# Altium PCB uStepper.PcbDoc (part 1 of 2) (continued)
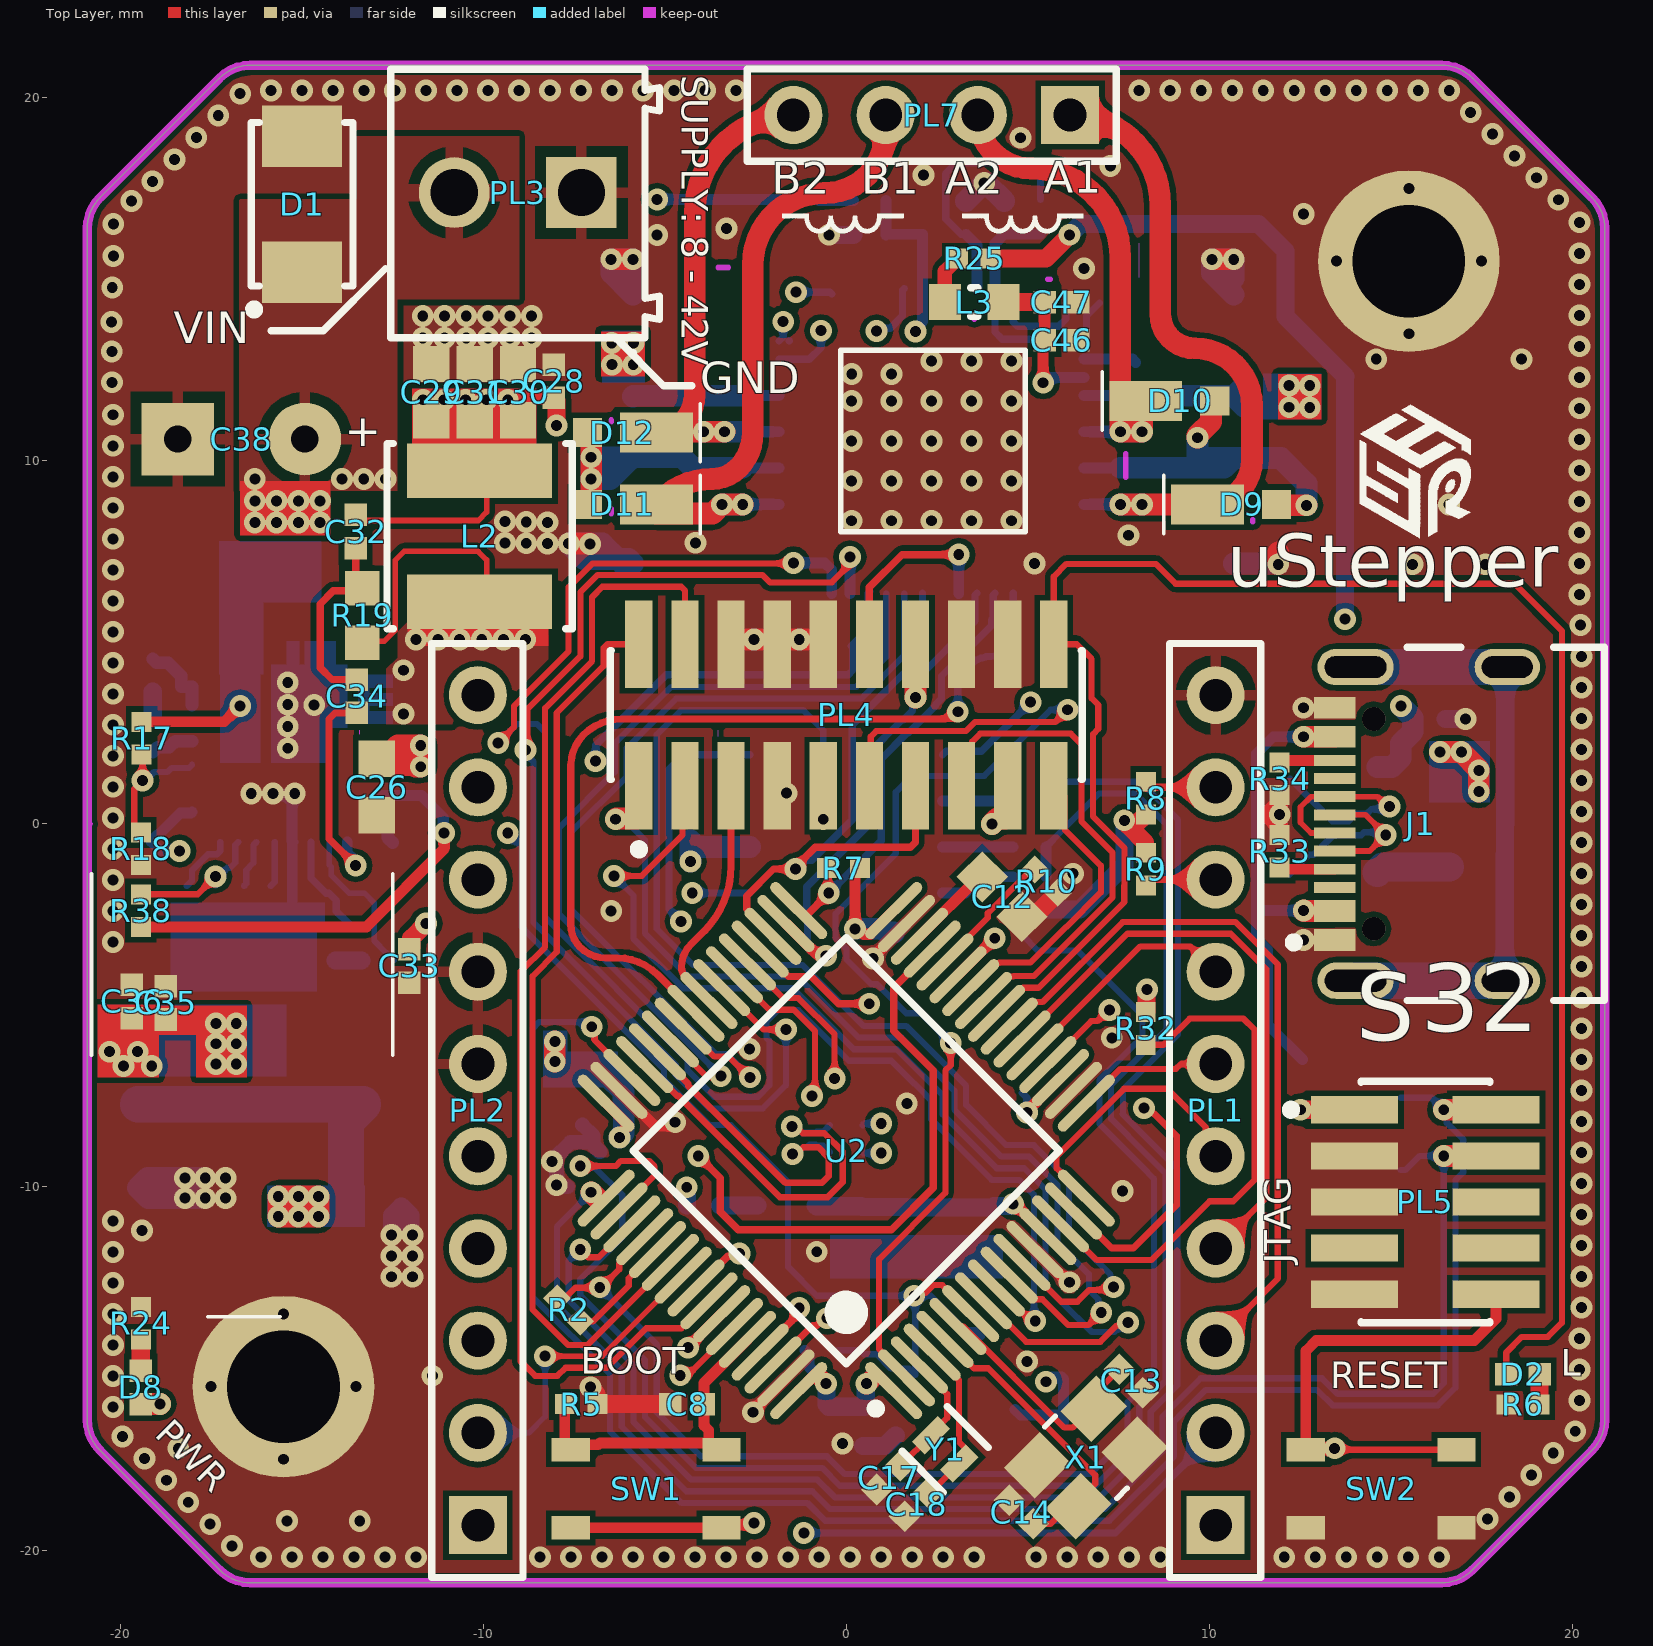
[diagram p0: Top Layer view]
## Footprints (in the part's own frame and the unit in brackets; to place one, negate y for a bottom-side part, rotate by r counter-clockwise, add the part's x,y. Pads: shape width x height; smd on the part's side, far side on the other; paste and mask are expansions set on the pad) (continued)
  round 1.643 smd paste+0 mask+0: 9-10-11-30(0.634,-1.359)
  round 0.321 smd paste+0 mask+0: 12-13-14(2.228,-1.422)
  rect 0.35x0.95 smd paste+0 mask+0: 20(1.75,2.525) 21(1.25,2.525) 22(0.75,2.525) 23(0.25,2.525) 24(-0.25,2.525) 25(-0.75,2.525) 26(-1.25,2.525) 27(-1.75,2.525)
  rect 3.4x1.1 smd paste+0 mask+0: 28(0,1.2)
  Top Layer region: 1.75,-2.35 1.75,-0.62 1.17,-0.62 1.17,0.35 -0.35,0.35 -0.35,-2.35 0.08,-2.35 0.08,-3 0.43,-3 0.43,-2.35 0.58,-2.35 0.58,-3 0.93,-3 0.93,-2.35 1.08,-2.35 1.08,-3 1.43,-3 1.43,-2.35
  Top Layer region: -1.75,-2.35 -1.75,0.35 -0.65,0.35 -0.65,-2.35 -0.7,-2.35 -0.7,-3 -1.05,-3 -1.05,-2.35 -1.35,-2.35 -1.35,-3 -1.7,-3 -1.7,-2.35
  Top Layer region: 3,-2.075 2.05,-2.075 2.05,-0.725 3,-0.725 3,-1.075 2.35,-1.075 2.35,-1.225 3,-1.225 3,-1.575 2.35,-1.575 2.35,-1.725 3,-1.725
  silkscreen extent -3.7,-2.5 2.55,2.5, body extent -2.5,-2.5 2.5,2.5, height 0.8
FP-USB4105-GF-A-MFG [mm]
  rrect100% 1x2.1 hole 1.7 slot 0.6 at 0 deg paste-1000 mask+0: 1(-4.32,3.015) 2(4.32,3.015)
  rrect100% 1x1.8 hole 1.4 slot 0.6 at 0 deg paste-1000 mask+0: 3(-4.32,-1.165) 4(4.32,-1.165)
  round 0.65 hole 0.65 unplated paste-1000 mask+0: -(2.89,2.515) --(-2.89,2.515)
  rect 0.6x1.15 smd paste+0 mask+0: A1-B12(-3.2,3.59) A4-B9(-2.4,3.59) B1-A12(3.2,3.59) B4-A9(2.4,3.59)
  rect 0.3x1.15 smd paste+0 mask+0: A5(-1.25,3.59) A6(-0.25,3.59) A7(0.25,3.59) A8(1.25,3.59) B5(1.75,3.59) B6(0.75,3.59) B7(-0.75,3.59) B8(-1.75,3.59)
  silkscreen extent -4.86,-3.84 4.86,4.84, body extent -4.96,-3.94 4.96,4.27, height 0.25
IND_0603 [mm] "Chip Inductor, 2-Leads, 0603, IPC Medium Density"
  rect 0.89x0.99 smd: 1(-0.805,0) 2(0.805,0)
  silkscreen extent -0.1,-0.4 0.1,0.4, body extent -0.87,-0.48 0.87,0.48, height 0.55
INF-PG-DSO-8-16_M [mm] "SOP, 8-Leads, Body 4.9x3.9mm, Pitch 1.27mm, IPC Low Density"
  oval 2.1x0.7 smd: 1(-2.65,1.905) 2(-2.65,0.635) 3(-2.65,-0.635) 4(-2.65,-1.905) 5(2.65,-1.905) 6(2.65,-0.635) 7(2.65,0.635) 8(2.65,1.905)
  silkscreen extent -2.78,-2.5 1.2,2.93, body extent -2,-2.5 2,2.5, height 1.75
MicroSMP [mm] "MicroSMP, 2-Leads, Body 1,30x2,50mm, IPC Medium Density"
  rect 0.8x0.8 smd: 1(1.3,0)
  rect 2x1.1 smd: 2(-0.6,0)
  silkscreen extent -1.8,-0.8 -1.8,0.8, body extent -1.15,-0.7 1.15,0.7, height 0.73
"PTC Fuse 1206" [mm]
  rect 1.1x1.9 smd: 1(-1.45,0) 2(1.45,0)
  silkscreen extent -0.5,-0.74 0.5,0.74, body extent -1.62,-0.82 1.63,0.83, height 0.4
RES_0402 [mm] "Chip Resistor, 2-Leads, 0402, IPC Medium Density"
  rect 0.55x0.55 smd: 1(-0.45,0) 2(0.45,0)
  body extent -0.53,-0.28 0.53,0.28, height 0.4
RES_0603 [mm] "Chip Resistor, 2-Leads, 0603, IPC Medium Density"
  rect 0.95x0.95 smd: 1(-0.75,0) 2(0.75,0)
  body extent -0.87,-0.48 0.87,0.48, height 0.55
RES_1206 [mm] "Chip Resistor, 2-Leads, 1206, IPC Medium Density"
  rect 1.1x1.69 smd: 1(-1.45,0) 2(1.45,0)
  silkscreen extent -0.5,-0.74 0.5,0.74, body extent -1.63,-0.82 1.63,0.82, height 0.7
SOT95P282X125-3N [mm] "SOT23, 3-Leads, Body 2.92x2.83mm, Pitch 0.95mm, IPC Medium Density"
  rect 1.05x0.6 smd: 1(-1.375,0.95) 2(-1.375,-0.95) 3(1.375,0)
  silkscreen extent -1.5,-1.5 0.85,1.92, body extent -1.5,-1.51 1.5,1.51, height 1.25
SOT230P700X180-4N [mm] "SOT223, 4-Leads, Body 6,50x7,00mm (avg), Pitch 2,30mm, IPC Medium Density"
  rect 2.2x1.2 smd: 1(-3.1,2.3) 2(-3.1,0) 3(-3.1,-2.3)
  rect 2.2x3.5 smd: 2(3.1,0)
  silkscreen extent -3.1,-3.35 1.65,3.42, body extent -1.85,-3.35 1.85,3.35, height 1.8
STM-LQFP64_M [mm] "Thin QFP, 64-Leads, Body 10x10mm, Pitch 0.5mm, IPC Low Density"
  oval 2.1x0.3 smd: 1(-5.6,3.75) 2(-5.6,3.25) 3(-5.6,2.75) 4(-5.6,2.25) 5(-5.6,1.75) 6(-5.6,1.25) 7(-5.6,0.75) 8(-5.6,0.25) 9(-5.6,-0.25) 10(-5.6,-0.75) 11(-5.6,-1.25) 12(-5.6,-1.75) 13(-5.6,-2.25) 14(-5.6,-2.75) 15(-5.6,-3.25) 16(-5.6,-3.75) 33(5.6,-3.75) 34(5.6,-3.25) 35(5.6,-2.75) 36(5.6,-2.25) 37(5.6,-1.75) 38(5.6,-1.25) 39(5.6,-0.75) 40(5.6,-0.25) 41(5.6,0.25) 42(5.6,0.75) 43(5.6,1.25) 44(5.6,1.75) 45(5.6,2.25) 46(5.6,2.75) 47(5.6,3.25) 48(5.6,3.75)
  oval 0.3x2.1 smd: 17(-3.75,-5.6) 18(-3.25,-5.6) 19(-2.75,-5.6) 20(-2.25,-5.6) 21(-1.75,-5.6) 22(-1.25,-5.6) 23(-0.75,-5.6) 24(-0.25,-5.6) 25(0.25,-5.6) 26(0.75,-5.6) 27(1.25,-5.6) 28(1.75,-5.6) 29(2.25,-5.6) 30(2.75,-5.6) 31(3.25,-5.6) 32(3.75,-5.6) 49(3.75,5.6) 50(3.25,5.6) 51(2.75,5.6) 52(2.25,5.6) 53(1.75,5.6) 54(1.25,5.6) 55(0.75,5.6) 56(0.25,5.6) 57(-0.25,5.6) 58(-0.75,5.6) 59(-1.25,5.6) 60(-1.75,5.6) 61(-2.25,5.6) 62(-2.75,5.6) 63(-3.25,5.6) 64(-3.75,5.6)
  silkscreen extent -5.72,-4.15 4.15,4.57, body extent -5,-5 5,5, height 1.6
TS20-42-25-WT-160-SMT-TR-Footprint-1 [mm]
  rect 1.05x0.65 smd: 1(-2.05,1.1) 2(2.1,1.1) 3(-2.05,-1.05) 4(2.1,-1.05)
  body extent -2.07,-1.58 2.13,1.63, height 2.5
TSQFP50P900X900X120_HS-49N [mm] "TSQFP, 48-Leads, Body 7,00x7,00mm, Pitch 0,50mm, Thermal Pad 5,10x5,10mm, IPC Medium Density"
  rect 1.4x0.3 smd: 1(-4.2,2.75) 2(-4.2,2.25) 3(-4.2,1.75) 4(-4.2,1.25) 5(-4.2,0.75) 6(-4.2,0.25) 7(-4.2,-0.25) 8(-4.2,-0.75) 9(-4.2,-1.25) 10(-4.2,-1.75) 11(-4.2,-2.25) 12(-4.2,-2.75) 25(4.2,-2.75) 26(4.2,-2.25) 27(4.2,-1.75) 28(4.2,-1.25) 29(4.2,-0.75) 30(4.2,-0.25) 31(4.2,0.25) 32(4.2,0.75) 33(4.2,1.25) 34(4.2,1.75) 35(4.2,2.25) 36(4.2,2.75)
  rect 0.3x1.4 smd: 13(-2.75,-4.2) 14(-2.25,-4.2) 15(-1.75,-4.2) 16(-1.25,-4.2) 17(-0.75,-4.2) 18(-0.25,-4.2) 19(0.25,-4.2) 20(0.75,-4.2) 21(1.25,-4.2) 22(1.75,-4.2) 23(2.25,-4.2) 24(2.75,-4.2) 37(2.75,4.2) 38(2.25,4.2) 39(1.75,4.2) 40(1.25,4.2) 41(0.75,4.2) 42(0.25,4.2) 43(-0.25,4.2) 44(-0.75,4.2) 45(-1.25,4.2) 46(-1.75,4.2) 47(-2.25,4.2) 48(-2.75,4.2)
  rect 5.1x5.1 smd: 49(0,0)
  silkscreen extent -4.32,-3.1 3.1,3.58, body extent -3.5,-3.5 3.5,3.5, height 1.2

## Part data
C1 C3 C4 C5 C6 C7 C8 C10 C11 C25 C28 C33 C35: library part CMP-00088-2, "Multilayer Ceramic Capacitors MLCC - SMD/SMT .1uF 50Volts X7R +/-10% 0402 STD", Capacitance=100nF, Case/Package=0402, Case Code (Metric)=1005, Dielectric=X7R, Max Operating Temperature=125°C, Min Operating Temperature=-55°C, Package Quantity=10000, Tolerance=10%, Voltage="50 V", Voltage Rating=50V, Case Code (Imperial)=0402, Halogen Free="Halogen Free", Height=0.5mm, Lead Free="Lead Free", Length=0.039inch, Mount="Surface Mount", Packaging="Tape and Reel", Termination=SMD/SMT, Thickness=0.022inch, Voltage Rating (DC)=50V, Width=0.5mm
C2 C12 C26 C37: library part CMP-00134-0.1, "CAPACITOR CERAMIC, 4.7UF, 35V, X5R, 10%, 0603; Capacitance: 4.7µF; Capacitance Tolerance: ± 10%; Dielectric...", Capacitance=4.7uF, Case Code (Imperial)=0603, Case Code (Metric)=1608, Max Operating Temperature=85°C, Min Operating Temperature=-55°C, Tolerance=10%, Voltage Rating=35V, Case/Package=0603, Packaging="Tape and Reel", Series=C, Termination=SMD/SMT
C9 C15 C36: library part CMP-00032-5, "1uF 0402 10V 10% X5R", Capacitance=1uF, Case/Package=0402, Case Code (Metric)=1005, Dielectric=X5R, Max Operating Temperature=85°C, Min Operating Temperature=-55°C, Package Quantity=1, Tolerance=10%, Voltage="10 V", Voltage Rating=10V, Case Code (Imperial)=0402, Contact Plating=Tin, Depth=0.5mm, Height=0.5mm, Length=1mm, Material=Ceramic, Mount="Surface Mount", Packaging="Tape and Reel", Radiation Hardening=No, Thickness=0.022inch, Width=0.02inch
C13 C14: library part CMP-00154-2, "Multilayer Ceramic Capacitors MLCC - SMD/SMT 0402 6.8pF 25volts C0G +/-0.25pF", Manufacturer Part No.=GRM1555C1E6R8CA01D, Voltage=25V
C16 C45 C53: library part CMP-00176-1, "22nF 0402 16V X7R 5%", Mfg. Part Number=GRM155R71C223JA01D, Tolerance=5%, Voltage=16V
C17 C18: library part CMP-00172-2, "GJM1555C1HR40BB01D ; Rohs; Murata ; Cap Ceramic 0.4PF 50V C0G 0402", Manufacturer Part No=GJM1555C1HR40BB01D, Tolerance=0.1pF, Voltage=50V
C19 C22 C39 C40 C41 C44 C46 C50 C51 C52: library part CMP-00088-2, "Multilayer Ceramic Capacitors MLCC - SMD/SMT .1uF 50Volts X7R +/-10% 0402 STD", Capacitance=100nF, Case Code (Imperial)=0402, Case Code (Metric)=1005, Dielectric=X7R, Max Operating Temperature=125°C, Min Operating Temperature=-55°C, Package Quantity=10000, Tolerance=10%, Voltage="50 V", Voltage Rating=50V, Case/Package=0402, Halogen Free="Halogen Free", Height=0.5mm, Lead Free="Lead Free", Length=0.039inch, Mount="Surface Mount", Packaging="Tape and Reel", Termination=SMD/SMT, Thickness=0.022inch, Voltage Rating (DC)=50V, Width=0.5mm
C20 C21 C42 C43: library part CMP-00030-4, "10uF 1206 50V X5R 20%", Tolerance="+/- 20%", Voltage="50 V"
C23 C47 C49 C57: library part CMP-00032-5, "1uF 0402 10V 10% X5R", Capacitance=1uF, Case Code (Imperial)=0402, Case Code (Metric)=1005, Dielectric=X5R, Max Operating Temperature=85°C, Min Operating Temperature=-55°C, Package Quantity=1, Tolerance=10%, Voltage="10 V", Voltage Rating=10V, Case/Package=0402, Contact Plating=Tin, Depth=0.5mm, Height=0.5mm, Length=1mm, Material=Ceramic, Mount="Surface Mount", Packaging="Tape and Reel", Radiation Hardening=No, Thickness=0.022inch, Width=0.02inch
C24: library part CMP-00170-1, "220pF 0402 50V 5%", Mfg. Part Number=CL05C221JB5NNNC, Tolerance=5%, Voltage=50V
C27: library part CMP-00171-2, "33nF 0402 50V X7R 10%", Manufacturer Part No.=GRM155R61H333KE14D, Tolerance=10%, Voltage=50V
C29 C30 C31 C54 C55 C56: library part CMP-00120-1, "CAP CER 10UF 16V X5R 0603", Capacitance=10uF, Case Code (Imperial)=0603, Case Code (Metric)=1608, Dielectric=X5R, Max Operating Temperature=85°C, Min Operating Temperature=-55°C, Package Quantity=4000, Tolerance=10%, Voltage=16V, Case/Package=0603, Composition=Ceramic, Height=0.8mm, Lead Free="Lead Free", Length=0.063inch, Mount="Surface Mount", Packaging="Tape and Reel", REACH SVHC="No SVHC", Termination=SMD/SMT, Thickness=0.037inch, Voltage Rating=16V, Voltage Rating (DC)=16V, Weight=0.000222oz, Width=0.8mm
C32: library part CMP-00175-1, "Multilayer Ceramic Capacitors MLCC - SMD/SMT Midhigh 0402 C0G 50V 270pF 5%", Mfg. Part Number=UMK105CG271JV-F, Tolerance=5%, Voltage=50V
C34 C58: library part CMP-00174-1, "Cap Ceramic 0.0013uF 50V C0G 5% SMD 0402 125°C Paper T/R", Manufacturer Part No.=C0402C132J5GAC7867, Tolerance=10%, Voltage=50V
C38: library part CMP-002-0003-4, "180UF 20% 50V 105DEG RADIAL", Case/Package=-, Tolerance=20%
C48: library part CMP-00011-3, "10uF 20% 0402 6V3 X6S", Current Rating=-, Tolerance=20%, Voltage=6V3
D1: library part CMP-016-0017-0.2, "Diode TVS Single Uni-Dir 51V 400W 2-Pin SMA", Breakdown Voltage=62.7V, Case/Package=SMA, Clamping Voltage=82.4V, Leakage Current=5uA, Max Operating Temperature=150°C, Max Surge Current=40A, Min Breakdown Voltage=56.7V, Min Operating Temperature=-55°C, Operating Supply Voltage=3.5V, Package Quantity=1, Peak Pulse Current=4.9A, Peak Pulse Power=400W, Power Line Protection=No, Reverse Standoff Voltage=51V, Test Current=1mA, Composition=Zener, Direction=Unidirectional, Element Configuration=Single, Max Reverse Leakage Current=5uA, Mfg. Part Number=SMAJ51A, Mount="Surface Mount", Number of Channels=1, Number of Elements=1, Number of Pins=2, Number of Unidirectional Channels=1, Packaging="Tape and Reel", Polarity=Unidirectional, Radiation Hardening=No, Reverse Breakdown Voltage=56.7V, Termination=SMD/SMT
D2 D8: library part CMP-008-0001-2, "0402 SMD LED", Mfg. Part Number=LTST-C281KGKT
D3 D9 D10 D11 D12: library part CMP-016-0002-2, "DIODE SCHOTTKY 60V 2A MICROSMP"
D4 D5 D6 D7: library part CMP-016-0004-2, "TVS DIODE 12VC 8A IPP 0402", Mfg. Part Number=GG040205100N2P
F1: library part CMP-017-0001-1, "PTC RESET FUSE 8V 500MA 1206", Case/Package=1206, Mfg. Part Number=0ZCJ0050FF2G, Mount=SMD, Pins=2, RoHS=Yes
J1: library part CMP-003-0034-0.0, "Conn USB 2.0 Type C RCP 24 POS 0.3mm/0.5mm Solder RA SMD 24 Terminal 1 Port T/R", Flammability Rating="UL94 V-0", Insulation Color=Black, Max Operating Temperature=85°C, Min Operating Temperature=-40°C, Connector Type=USB, Contact Plating=Gold, Gender=Receptacle, Mating Cycles=10000, Mount="Surface Mount,Through Hole,Horizontal", Number of Ports=1, Series=USB4105, Shielding=Shielded, Termination=Solder
L1 L3: library part CMP-ROOT-0005-2, "FERRITE BEAD 180 OHM 0603 1LN", Case/Package=0603, Current=1.5A, Mfg. Part Number=BLM18PG181SN1D
L2: library part CMP-007-0013-1, "Inductor Power Shielded Wirewound 10uH 20% 100KHz Ferrite 2.1A 0.0728Ohm DCR T/R", Case/Package=Nonstandard, Current=2.2A, Mfg. Part No=NRS5040T100MMGJ
PL1 PL2: library part CMP-003-0004-2, "Pin header 10-pin 2.54mm female", Mfg. Part Number=DS1023-1*10S21
PL3: library part CMP-003-0031-0.0, Current=10A, Mfg. Part Number=EBWA-02-A, Wire gauge="16-28 AWG"
PL4: library part CMP-003-0038-0.0, "Conn Unshrouded Header HDR 20 POS 1.27mm Solder ST Top Entry SMD Tube", Color=Black, Contact Resistance=30mR, Current Rating=20A, Max Operating Temperature=85°C, Max Voltage Rating (AC)=125V, Min Operating Temperature=-40°C, Package Quantity=46, Connector Type="Male Pin", Contact Material=Nickel, Contact Mating Length=0.12inch, Contact Plating=Gold, Contact Type="Male Pin", Depth=3.4mm, Gender=Male, Housing Color=Black, Housing Material=Plastic, Length=12.7mm, Mount="Surface Mount", Number of Contacts=20, Number of Positions=20, Number of Rows=2, Orientation=Straight, Packaging=Rail/Tube, Pitch=1.27mm, RoHS Compliant=Yes, Row Spacing=0.05inch, Series="Minitek 127® 20021121", Termination=Solder, Voltage Rating=125V
PL5: library part CMP-003-0036-0.2, "Conn, Header, 10Pos, 2Row, 1.27Mm Rohs Compliant: Yes", Contact Material="Copper Alloy", Gender=Male, RoHS Compliant=Yes
PL7: library part CMP-003-0003-3, "Pin header 4-pin 2.54mm male", Mfg. Part Number=DS1021-1*4SF1-1
R1 R4: library part CMP-001-0001-5, "100R 1% 0402 63mW", Case/Package=0402, Power=63mW, Tolerance=1%
R2 R32 R36 R37 R38: library part CMP-001-0055-1, "RES SMD 0 OHM 1/16W 0402", Case/Package=0402, Mfg. Part Number=RC0402JR-070RL, Power=63mW, Tolerance=-
R3: library part CMP-001-0021-4, "RES SMD 560 OHM 1% 1/16W 0402", Case/Package=0402, Mfg. Part Number=RC1005F561CS, Power="1/16 W", Tolerance="1 %"
R5 R10 R16 R23 R31: library part CMP-001-0019-3, "RES SMD 10K OHM 1% 1/16W 0402", Case/Package=0402, Mfg. Part Number=RMCF0402FT10K0, Power="1/16 W", Tolerance="1 %"
R6 R29: library part CMP-001-0027-3, "RES SMD 47K OHM 1% 1/16W 0402", Case/Package=0402, Mfg. Part Number=RMCF0402FT47K0, Power=1/16W, Tolerance=1%
R7 R8 R9 R11 R33 R34: library part CMP-001-0029-3, "RES SMD 4.7K OHM 1% 1/16W 0402", Case/Package=0402, Mfg. Part Number=RC1005F472CS, Power=1/16W, Tolerance=1
R12 R25 R26: library part CMP-001-0033-3, "RES SMD 10 OHM 1% 1/16W 0402", Case/Package=0402, Mfg. Part Number=0402WGF100JTCE, Power=63mW, Tolerance=1%
R13: library part CMP-001-0062-1, "RES SMD 3R3 OHM 1% 1/16W 0402", Case/Package=0402, Mfg. Part Number=CRGCQ0402J3R3, Power="1/16 W", Tolerance=5%
R14: library part CMP-001-0058-1, "RES SMD 340K OHM 1% 1/16W 0402", Case/Package=0402, Mfg. Part Number=RC0402FR-07340KL, Power="1/16 W", Tolerance=1%
R15: library part CMP-0001-00014-1, "28K 0402 1% 1/16W", Case Code (Imperial)=0402, Case Code (Metric)=1005, Max Operating Temperature=155°C, Max Power Dissipation=63mW, Min Operating Temperature=-55°C, Power=1/16W, Resistance=28kR, Temperature Coefficient=100ppm/°C, Tolerance=1%, Case/Package=0402, Composition="Thick Film", Contact Plating="Tin, Matte", Features="Automotive AEC-Q200", Height=0.016inch, Lead Free="Lead Free", Length=0.039inch, Mount="Surface Mount", Number of Terminations=2, Packaging="Tape and Reel", Radiation Hardening=No, Width=0.02inch
R17: library part CMP-001-0061-1, "RES SMD 562K OHM 1% 1/16W 0402", Case/Package=0402, Mfg. Part Number=RMCF0402FT562K, Power="1/16 W", Tolerance=1%
R18: library part CMP-001-0060-1, "RES SMD 200K OHM 1% 1/16W 0402", Case/Package=0402, Mfg. Part Number=RC1005F204CS, Power="1/16 W", Tolerance=1%
R19: library part CMP-001-0068-1, "Res Thick Film 0603 18.7K Ohm 1% 1/10W ±100ppm/°C Molded SMD SMD Paper T/R", Case/Package=0603, Manufacturer Part No.=RMCF0603FT18K7, Tolerance=1%
R20: library part CMP-001-0064-2, "Res Thick Film 0603 52.3K Ohm 1% 0.1W(1/10W) ±100ppm/C Epoxy SMD T/R", Case/Package=0603, Manufacturer Part No.=RC0603FR-0752K3L, Power=1/10W, Tolerance=1%
R21: library part CMP-001-0066-1, "Res Thick Film 0402 274K Ohm 1% 0.063W ±100ppm/°C Molded SMD Paper T/R", Case/Package=0402, Mfg. Part Number=RMCF0402FT274K, Power=63mW, Tolerance=1%
R22: library part CMP-0001-00033-1, "301K 1% 0402", Case/Package=0402, Manufacturer Part No.=RMCF0402FT301K, Tolerance=1%
R24: library part CMP-00123-1, "Res General Purpose Thick Film 0402 100K Ohm 1% 1/16W ±100ppm/°C Molded SMD Paper T/R", Case Code (Imperial)=0402, Case Code (Metric)=1005, Max Operating Temperature=155°C, Max Power Dissipation=63mW, Mfg. Part Number=RC0402FR-07100KL, Min Operating Temperature=-55°C, Package Quantity=1, Resistance=100kR, Temperature Coefficient=100ppm/°C, Tolerance=1%, Voltage=50V, Case/Package=0402, Composition="Thick Film", Depth=0.5mm, Features="Moisture Resistant", Height=0.016inch, Lead Free="Lead Free", Length=0.039inch, Military Standard=Not, Number of Terminations=2, Packaging="Tape and Reel", Power Rating=63mW, REACH SVHC="No SVHC", Termination=SMD/SMT, Voltage Rating=50V, Width=0.02inch, Working Voltage=50V
R27 R28: library part CMP-001-0024-3, "RES 0.1 OHM 1% 1/2W 1206", Case/Package=1206, Power=0.5W, Tolerance=1%, Mfg. Part Number=CSR1206FTR100
R30: library part CMP-001-0026-3, "RES SMD 22K OHM 1% 1/16W 0402", Case/Package=0402, Mfg. Part Number=RMCF0402FT22K0, Power=1/16W, Tolerance=1%
R35: library part CMP-001-0065-1, "RES SMD 1M OHM 5% 1/16W 0402", Case/Package=0402, Mfg. Part Number=CR0402JC1MS001, Power="1/16 W", Tolerance=5%
SW1 SW2: library part CMP-013-0004-2, "Tactile Switch SPST-NO Top Actuated Surface Mount", Case/Package=-, Mfg. Part No.=TS20-42-25-WT-160-SMT-TR, Mount=SMD, Pins=4, RoHS=Yes
TP1 TP2 TP3 TP4 TP5: library part CMP-ROOT-0006-0.0, "Testpoint"
U1: library part CMP-00121-2, "Board Mount Hall Effect / Magnetic Sensors GMR Based Angle Sensor 6.5V", Case/Package=SMD/SMT, Max Operating Temperature=150°C, Min Operating Temperature=-40°C, Operating Supply Voltage=5V, Halogen Free="Not Halogen Free", Interface=SPI, Lead Free="Lead Free", Mount="Surface Mount", Number of Pins=8
U2: library part CMP-ROOT-00011-1, "ARM® Cortex®-M4 STM32 F4 Microcontroller IC 32-Bit 84MHz 256KB (256K x 8) FLASH", Case/Package=LQFP, Manufacturer Part No.=STM32F401RCT6, Mount=SMD, PartId=1, RoHS=Yes
U3: library part CMP-00167-1, "SiC462 Series 60 V 6 A Synchronous Buck Regulator - PowerPAK® MLP55-27", Manufacturer Part No.=SIC462ED-T1-GE3
U4: library part CMP-00179-1, "1A Low Dropout 3V3", Case/Package=SOT223R, Manufacturer Part No.=AP7361C-33ER-13, Mount=SMD, Pins=4, RoHS=Yes
U5: library part CMP-00034-3, "IC MOTOR CTLR/DVR SPI 48QFP", Mfg. Part Number=TMC5130A-TA-T
U6: library part CMP-00178-1, "IC DETECTOR VOLT 2.9V OD SSOP3", Case/Package=SOT23-3, Manufacturer Part No.=BD48K29G-TL, Mount=SMD, Pins=3, RoHS=Yes
X1: library part CMP-ROOT-00010-2, "Crystal 20MHz ±10ppm (Tol) ±20ppm (Stability) 7pF FUND 50Ohm 4-Pin SMD T/R", Case/Package=SMD/SMT, Manufacturer Part No.=ABM8W-20.0000MHZ-7-D1X-T3, Mount="Surface Mount", RoHS=Yes
Y1: library part CMP-ROOT-00014-1, "ABS05W IoT Optimized Crystal 32.768KHz 4pF 70K Ohm ±20ppm 2-Pin SMD T/R", Case/Package=SMD/SMT, Manufacturer Part No.=ABS05W-32.768KHZ-D-2-T, Mount="Surface Mount", RoHS=Yes

## Free pads (board coordinates)
  round 5 hole 3.1 unplated paste+0 mask+0.102: 1(15.5,15.5) 3(-15.5,-15.5)
  oval 2.1x1 on Top Paste: 5(14.028,-4.32) 5(14.028,4.32)
  oval 1.8x1 on Top Paste: 5(18.208,-4.32) 5(18.208,4.32)

## Via types
v1: diameter 0.6, hole 0.3, Top Layer to Bottom Layer, tented both sides, 434 vias

## Nets (pads, with @x,y where several pads share a name; then routed paths per layer and width w, separated by ;. In a path a pad name is that pad's centre, name@x,y a point inside that pad or via, vN(x,y) a via of type N, cw(c..) or ccw(c..) an arc to the next point about the centre after c; other vN are vias at no path point)
3V3: C1.1 C2.2 C3.2 C4.2 C5.2 C6.2 C7.2 C37.2 C44.1 C57.2 C58.2 D8.1 PL2.9 PL5.1 R7.2 R8.2 R9.2 R11.2 R12.1 R16.2 R31.1 SW1.1 SW1.2 U1.6 U2.1 U2.19 U2.32 U2.48 U2.64 U4.2 U5.10 U6.3 | length 149.6
  Top Layer w0.3: SW1.2@-7.586,-19.388 SW1.1@-3.436,-19.388 -3.359,-19.311 -2.597,-19.311 v1(-2.54,-19.253) ; U2.48@-6.611,-7.692 -5.998,-8.305 -6.191,-8.497 -6.191,-8.579 v1(-6.248,-8.636) ; U2.64@-1.308,-15.611 -0.837,-15.14 v1(-0.559,-15.418) ; R7.2@0.374,-1.219 0.249,-1.344 0.249,-1.515 0.244,-1.52 v1(0.244,-2.89) 0.325,-2.89 0.482,-3.047 0.649,-3.047 U2.32@1.308,-2.389 ; v1(0.559,-15.418) 0.698,-15.279 0.837,-15.14 U2.1@1.308,-15.611 ; v1(4.978,-7.95) 4.978,-7.914 5.268,-7.624 5.268,-7.621 U2.19@5.904,-6.985
  Top Layer w0.5: v1@-0.698,-15.279 v1(-0.559,-15.418) ; v1@0.559,-15.469 0.698,-15.33 v1@0.698,-15.279 ; v1(7.66,0.098) 7.679,0.079 7.679,0.041 v1@7.769,-0.049 ; R9.2@8.255,-0.795 8.23,-0.77 8.23,-0.51 v1@7.769,-0.049 ; R8.2@8.255,0.261 7.974,-0.02 7.798,-0.02 v1@7.769,-0.049 ; v1(12.515,-7.874) PL5.1@14.001,-7.874
  Top Layer w0.6: D8.1@-19.431,-15.981 v1(-18.9,-15.981) ; v1@-15.645,-10.276 v1(-15.645,-10.817) v1(-15.09,-10.817) v1(-14.534,-10.817) v1(-14.534,-10.262) v1(-15.09,-10.262) v1(-15.645,-10.262) ; v1(-8.026,-6.55) v1(-8.026,-5.994)
  Signal w0.3: PL2.9@-10.145,1.006 -11.397,1.006 -12.195,0.208 -16.65,0.208 -17.323,0.881 -17.323,9.223 -17.082,9.463 -17.082,17.231 -16.29,18.023 -14.99,19.323 -6.229,19.323 -5.207,18.301 v1(-5.207,17.196)
  Signal w0.6: v1@-15.645,-10.362 v1(-15.645,-10.817) v1(-15.09,-10.817) v1(-14.534,-10.817) v1(-14.534,-10.262) v1(-15.09,-10.262) v1(-15.645,-10.262) ; v1(-8.026,-6.55) v1(-8.026,-5.994)
  GND w0.6: v1(-8.026,-6.55) v1(-8.026,-5.994) ; v1(-15.645,-10.817) v1(-15.645,-10.262) v1(-15.09,-10.262) v1(-14.534,-10.262) v1(-14.534,-10.817) v1(-15.09,-10.817) v1(-15.645,-10.817)
  VCC w0.5: v1@4.966,-7.963 v1(4.978,-7.95) ; v1(5.504,-15.365) 7.229,-15.365 7.315,-15.451
  VCC w0.6: v1(-18.9,-15.981) -18.9,-12.825 -17.74,-11.664 -15.655,-11.664 ; v1(-6.248,-8.636) -5.766,-8.636 v1(-4.394,-10.008) ; v1(0.244,-2.89) 0.841,-2.293 7.788,-2.293 ; v1(0.559,-15.418) v1(-0.559,-15.418) -4.394,-11.582 v1(-4.394,-10.008) ; v1@4.966,-7.963 2.921,-10.008 v1(-4.394,-10.008)
  GND2 w0.6: v1@-8.026,-6.528 v1(-8.026,-5.994) ; v1@-15.645,-10.795 -14.578,-10.795 -14.578,-10.262 v1(-15.09,-10.262) v1(-15.645,-10.262) v1@-15.645,-10.795
  Bottom Layer w0.2: v1(-6.909,1.727) -6.898,1.738 -6.898,2.165 -6.709,2.354 -6.709,2.357 -4.956,4.109 0.058,4.109 0.175,4.227 0.175,4.86 C44.1@0.135,4.9 0.6,5.365 U5.10@0.6,6.35 U5.10@0.652,6.402 ; C7.2@4.846,-7.412 4.978,-7.544 v1(4.978,-7.95)
  Bottom Layer w0.3: v1@-5.207,17.2 -1.675,17.2 R31.1@-1.65,17.175 ; R16.2@-1.143,-14.498 -1.018,-14.623 -1.018,-14.958 v1(-0.559,-15.418) ; C5.2@0.495,-16.053 C5.2@0.571,-16.129 ; U6.3@4.652,-16.129 4.807,-16.285 C57.2@5.983,-16.285 ; v1(5.504,-15.365) 5.504,-15.343 5.607,-15.24 5.932,-15.24 C58.2@5.983,-15.29 C57.2@5.983,-16.285 ; C57.2@5.983,-16.471 C57.2@5.983,-16.285
  Bottom Layer w0.5: v1(-4.394,-10.008) -4.388,-10.014 -4.388,-10.505 R12.1@-4.382,-10.511 ; v1(-0.559,-15.418) -0.54,-15.437 -0.54,-15.993 C4.2@-0.48,-16.053 0.495,-16.053 0.495,-16.044 0.54,-16 0.54,-15.437 v1(0.559,-15.418) ; R11.2@5.498,-2.355 6.443,-2.355 7.66,-1.138 v1(7.66,0.098)
  Bottom Layer w0.6: C2.2@-7.264,-6.743 -7.064,-6.943 -6.581,-6.943 -6.134,-7.39 -6.134,-7.813 C6.2@-6.124,-7.823 -6.126,-7.825 -6.126,-8.514 v1(-6.248,-8.636) ; v1(-4.293,-1.038) C1.1@-4.293,-0.46 -4.118,-0.635 U1.6@-2.65,-0.635 ; v1(0.244,-2.89) 1.01,-2.89 1.106,-2.986 1.302,-2.986 C3.2@1.312,-2.996
  Bottom Layer w1: U4.2@-19.508,-7.722 U4.2@-13.308,-7.722 -13.779,-8.192 C37.2@-13.779,-10.515
+5V: C28.2 C29.2 C30.2 C31.2 C32.2 C33.2 C35.2 C36.2 C54.2 C55.2 C56.2 D3.2 L2.2 PL2.8 R20.2 R25.2 U4.3 | length 116.7
  Top Layer w0.152: C32.2@-13.513,8.512 -13.358,8.357 -10.135,8.357 -9.906,8.585 L2.2@-9.906,9.979
  Top Layer w0.4: -9.011,11.684 -8.963,11.732 C28.2@-8.052,11.732
  Top Layer w0.5: C33.2@-12.04,-3.452 -11.98,-3.392 -11.98,-3.15 v1(-11.573,-2.743) ; C28.2@-8.052,11.732 -7.977,11.657 v1(-7.977,10.976) ; R25.2@3.975,15.575 5.5,15.575 v1(6.15,16.225)
  Top Layer w0.6: v1(16.358,1.981) v1(16.942,1.981) 17.424,1.499 v1(17.424,1.473) v1(17.424,0.889)
  Signal w0.152: v1(-11.573,-2.743) -8.685,-2.743 -8.137,-2.195 -8.137,-0.569 -6.273,1.294 -6.273,10.092 -7.156,10.976 v1(-7.977,10.976)
  Signal w0.6: v1(-20.295,-6.274) v1(-19.517,-6.274) -19.129,-6.662 v1(-19.129,-6.67) v1(-19.906,-6.67) v1@-20.198,-6.378 ; v1(-17.356,-5.501) v1(-17.356,-6.057) v1(-17.356,-6.612) v1(-16.801,-6.612) v1(-16.801,-6.057) v1(-16.801,-5.501) -17.282,-5.501 v1@-17.323,-5.542 ; v1(-11.659,11.684) v1(-11.074,11.684) v1(-10.49,11.684) v1(-9.906,11.684) v1(-9.322,11.684) ; v1(16.358,1.981) v1(16.942,1.981) 17.424,1.499 v1(17.424,1.473) v1(17.424,0.889)
  GND w0.6: v1@-19.517,-6.281 v1(-19.517,-6.274) ; v1(-17.356,-5.501) v1(-17.356,-6.057) v1(-17.356,-6.612) v1(-16.801,-6.612) v1(-16.801,-6.057) v1(-16.801,-5.501) -16.833,-5.533 v1@-17.297,-5.533 ; v1(-11.659,11.684) v1(-11.074,11.684) v1(-10.49,11.684) v1(-9.906,11.684) v1(-9.322,11.684) ; v1(16.358,1.981) v1(16.942,1.981) 17.424,1.499 v1(17.424,1.473) v1(17.424,0.889) ; v1(-19.517,-6.274) v1(-20.295,-6.274) -19.906,-6.662 v1(-19.906,-6.67) v1(-19.129,-6.67) -19.129,-6.662 v1(-19.517,-6.274)
  VCC w0.5: v1(13.741,5.639) 15.196,5.639 16.101,4.734 16.101,2.816 16.335,2.582 16.335,2.075 16.338,2.071 16.338,2 v1(16.358,1.981) v1(16.942,1.981) 17.424,1.499 v1(17.424,1.473) v1(17.424,0.889)
  VCC w1: -13.556,-2.743 -12.347,-1.534 PL2.8@-10.145,-1.534
  GND2 w0.6: v1(-20.295,-6.274) v1(-19.517,-6.274) ; v1@-20.015,-6.67 v1(-19.906,-6.67) v1(-19.129,-6.67) ; v1(-11.659,11.684) v1(-11.074,11.684) v1(-10.49,11.684) v1(-9.906,11.684) v1(-9.322,11.684) -5.74,11.684 -4.952,10.896 -4.952,7.03 -4.022,6.1 13.27,6.1 v1@13.741,5.629 ; v1(13.741,5.639) v1@13.741,5.629 ; v1@13.75,5.62 v1@13.741,5.629 ; v1(16.358,1.981) v1(16.942,1.981) 16.942,1.956 v1(17.424,1.473) v1(17.424,0.889)
  GND2 w0.8: v1(-17.356,-6.612) -16.823,-6.612 -16.823,-5.545 -17.356,-5.545 v1(-17.356,-6.057) v1(-17.356,-6.612)
  Bottom Layer w0.5: v1(6.15,16.225) 6.45,16.525 11.35,16.525 12.1,15.775 12.1,13.974 13.75,12.324 13.741,12.315 v1(13.741,5.639)
\R\S\T\: C11.2 PL2.10 PL5.10 R16.1 SW2.1 SW2.2 U2.7 U6.2 | length 65.9
  Top Layer w0.17: v1(1.876,-12.997) 1.958,-12.915 2.185,-12.915 2.271,-12.829 2.273,-12.829 2.398,-12.705 2.644,-12.705 U2.7@3.429,-13.49 ; SW2.1@12.657,-17.238 SW2.2@16.807,-17.238
  Top Layer w0.3: v1(13.453,-17.2) 13.434,-17.219 12.676,-17.219 SW2.1@12.657,-17.238 12.657,-14.523 12.946,-14.234 17.298,-14.234 17.901,-13.631 PL5.10@17.901,-12.954
  Signal w0.17: PL2.10@-10.145,3.546 -8.93,3.546 -8.026,2.643 -8.026,1.045 v1(-9.322,-0.25) ; v1(1.876,-12.997) 0.845,-12.997 0.039,-13.803 0.039,-14.204 0.528,-14.694 0.634,-14.694 2.668,-16.728 7.366,-16.728 8.477,-17.839 10.616,-17.839 11.255,-17.2 v1(13.453,-17.2)
  Bottom Layer w0.17: v1(-9.322,-0.25) -8.939,-0.633 -8.939,-2.843 -8.869,-2.913 -8.869,-2.915 -5.016,-6.768 -5.016,-7.043 -3.764,-8.296 -3.179,-8.296 -1.6,-9.875 -1.6,-12.205 -0.808,-12.997 v1(1.876,-12.997) ; R16.1@-0.243,-14.498 0.375,-14.498 0.486,-14.609 0.836,-14.609 1.231,-15.004 1.726,-15.004 U6.2@1.902,-15.179 1.902,-13.023 v1(1.876,-12.997) ; C11.2@3.734,-14.125 3.552,-13.943 3.275,-13.943 2.329,-12.997 v1(1.876,-12.997)
A13: PL5.2 TP3.1 U2.46 | length 53.4
  Top Layer w0.17: v1(-7.01,-5.588) -6.933,-5.665 -6.933,-5.956 U2.46@-5.904,-6.985
  Top Layer w0.6: v1(16.459,-7.874) PL5.2@17.901,-7.874
  Bottom Layer w0.17: v1(-7.01,-5.588) -7.144,-5.455 -8.454,-5.455 -8.638,-5.638 -8.638,-13.032 -6.506,-15.164 -6.506,-16.74 -4.54,-18.705 -1.067,-18.705 -0.576,-19.196 6.29,-19.196 7.249,-19.196 9.032,-17.412 9.032,-16.453 ; 9.262,-16.223 9.032,-16.453 ; TP3.1@15.276,-7.544 16.13,-7.544 v1(16.459,-7.874) 16.541,-7.956 16.541,-8.237 16.996,-8.692 16.996,-9.599 16.781,-9.814 16.781,-15.534 16.297,-16.018 13.394,-16.018 12.97,-15.593 9.892,-15.593 9.032,-16.453
A14: PL5.4 TP4.1 U2.49 | length 43.2
  Top Layer w0.6: v1(-7.025,-10.145) v1@-6.862,-10.308 ; v1(16.459,-9.144) PL5.4@17.901,-9.144
  Bottom Layer w0.17: v1(-7.025,-10.145) -7.965,-11.085 -7.965,-13.252 -6.184,-15.033 -6.184,-16.606 -4.407,-18.383 -0.933,-18.383 -0.443,-18.874 6.159,-18.874 7.118,-18.874 8.71,-17.282 8.71,-16.323 ; 8.988,-16.044 8.71,-16.323 ; TP4.1@15.276,-9.535 15.399,-9.535 15.791,-9.144 v1(16.459,-9.144) 16.459,-15.4 16.164,-15.696 13.528,-15.696 13.103,-15.271 9.762,-15.271 8.71,-16.323
AIN_TMC: R32.1 U2.14 | length 14.2
  Top Layer w0.17: U2.14@5.904,-11.015 6.903,-12.014 8.402,-12.014 9.14,-11.276 9.14,-11.265 10.01,-10.395 10.659,-10.395 11.247,-9.807 11.247,-5.667 10.942,-5.363 9.46,-5.363 8.738,-6.084 R32.1@8.25,-6.084
AVCC: C9.2 C10.2 C15.2 C16.2 L1.2 U2.13 | length 6.9
  Top Layer w0.3: v1(4.597,-10.465) 4.647,-10.465 U2.13@5.551,-11.369
  Bottom Layer w0.5: L1.2@-0.841,-10.511 -0.822,-10.529 0.406,-10.529 0.424,-10.548 0.427,-10.55 1.648,-10.55 C16.2@1.682,-10.585 1.7,-10.566 2.854,-10.566 2.873,-10.548 2.891,-10.566 C10.2@4,-10.566 ; C10.2@4.019,-10.585 4.079,-10.525 4.511,-10.525 4.57,-10.465 v1(4.597,-10.465)
B0: PL4.19 U2.26 | length 8.1
  Top Layer w0.17: U2.26@3.429,-4.51 4.091,-3.849 4.183,-3.849 4.211,-3.821 5.072,-3.821 6.052,-2.841 6.062,-2.841 7.016,-1.886 7.016,-1.151 6.008,-0.142 6.008,0.76 PL4.19@5.718,1.05
B1: PL4.17 U2.27 | length 6.2
  Top Layer w0.3: U2.27@3.076,-4.156 4.083,-3.15 v1(4.089,-3.15)
  Top Layer w0.6: v1(4.013,0) 4.163,0.15 4.373,0.15 4.448,0.225 PL4.17@4.448,1.05
  Signal w0.3: v1(4.013,0) 4.338,-0.324 4.089,-0.573 v1(4.089,-3.15)
B5: PL4.4 U2.57 | length 32.3
  Top Layer w0.17: PL4.4@-4.442,4.95 -4.442,6.432 -4.542,6.532 -6.719,6.532 -7.001,6.25 -7.001,4.483 -8.295,3.19 -8.295,-3.391 -8.963,-4.059 -8.963,-14.808 -8.565,-15.206 -7.956,-15.206 -7.728,-14.978 -6.596,-14.978 -5.51,-13.892 -4.538,-13.892 U2.57@-3.783,-13.137
BOOT0: C8.2 R5.2 SW1.3 SW1.4 U2.60 | length 9.5
  Top Layer w0.3: R5.2@-7.753,-15.981 -7.753,-17.071 SW1.4@-7.586,-17.238 -7.448,-17.1 -6.838,-17.1 -6.787,-17.048 -3.785,-17.048 SW1.3@-3.785,-17.063 ; U2.60@-2.722,-14.197 -3.922,-15.396 C8.2@-3.922,-15.981 -3.921,-15.982 -3.921,-16.565 -3.785,-16.701 SW1.3@-3.785,-17.063 ; SW1.3@-3.785,-17.063 -3.713,-17.135 SW1.3@-3.61,-17.238 ; SW1.3@-3.785,-17.063 SW1.3@-3.61,-17.238 ; SW1.3@-3.61,-17.238 SW1.3@-3.436,-17.238 SW1.3@-3.61,-17.238
C2: PL4.1 U2.10 | length 26.9
  Top Layer w0.17: U2.10@4.49,-12.429 5.151,-13.091 5.402,-13.091 6.117,-13.806 6.673,-13.806 v1(7.024,-13.455)
  Top Layer w0.6: v1(-6.35,0.127) -6.327,0.15 -5.787,0.15 -5.712,0.225 PL4.1@-5.712,1.05
  Bottom Layer w0.17: v1(-6.35,0.127) -6.268,0.045 -6.031,0.045 -5.54,-0.447 -5.54,-3.023 -4.356,-4.207 -1.339,-4.207 0.34,-5.886 1.517,-5.886 2.98,-7.348 2.98,-7.871 4.274,-9.165 5.036,-9.165 5.815,-9.944 5.815,-11.533 6.684,-12.401 6.684,-12.831 6.943,-13.091 6.943,-13.374 v1(7.024,-13.455)
C3: PL4.9 U2.11 | length 34
  Top Layer w0.17: U2.11@4.844,-12.076 4.844,-12.08 5.924,-13.161 6.369,-13.161 6.694,-12.836 7.283,-12.836 v1(7.366,-12.754)
  Bottom Layer w0.17: v1(-0.632,0.127) -0.632,2.58 -1.181,3.128 -4.55,3.128 -5.218,2.461 -5.218,-2.89 -4.223,-3.885 -1.208,-3.885 0.473,-5.566 1.65,-5.566 3.3,-7.216 3.3,-7.738 4.406,-8.845 5.171,-8.845 6.137,-9.811 6.137,-11.275 7.283,-12.421 7.283,-12.672 v1(7.366,-12.754)
C4: D2.1 PL4.20 U2.24 | length 51.5
  Top Layer w0.17: U2.24@4.137,-5.217 4.172,-5.217 4.875,-4.514 5.297,-4.514 7.658,-2.152 7.658,-1.695 7.66,-1.693 7.66,-0.661 6.799,0.2 6.799,2.475 6.94,2.616 6.94,3.279 6.756,3.463 6.756,4.543 6.35,4.95 PL4.20@5.718,4.95 5.718,6.814 6.066,7.162 8.525,7.162 9.073,6.614 18.414,6.614 19.715,5.313 19.715,-13.744 19.327,-14.131 18.608,-14.131 18.18,-14.56 D2.1@18.18,-15.159
C5: PL4.15 U2.25 | length 13.9
  Top Layer w0.17: PL4.15@3.178,1.05 3.468,1.34 3.468,2.269 3.686,2.487 6.191,2.487 6.477,2.201 6.477,0.066 7.338,-0.795 7.338,-2.02 5.164,-4.194 4.613,-4.194 4.604,-4.202 4.444,-4.202 U2.25@3.783,-4.863
C9: PL4.5 U2.40 | length 6.6
  Top Layer w0.2: U2.40@-3.783,-4.863 -4.419,-4.227 cw(c-4.135,-3.943) -4.537,-3.943 cw(c-3.657,-3.943) -4.28,-3.32 -3.916,-2.957 ccw(c-5.712,-1.161) -3.172,-1.161 PL4.5@-3.172,1.05
CLK_16: U2.41 U5.2 | length 24.4
  Top Layer w0.2: -7.588,1.628 -7.588,-2.767 ccw(c-6.69,-2.767) -7.325,-3.401 ccw(c-6.626,-2.703) -6.626,-3.691 -6.304,-3.691 cw(c-6.304,-5.239) -5.21,-4.144 U2.41@-4.137,-5.217 ; -7.578,1.635 cw(c-6.422,1.635) -7.239,2.452 cw(c-6.182,1.395) -6.182,2.89 2.591,2.89 ccw(c2.591,3.573) v1(3.074,3.09)
  Bottom Layer w0.2: v1(3.074,3.09) 3.074,3.688 cw(c4,3.688) 3.188,4.132 cw(c3.363,4.035) 3.22,4.176 3.512,4.467 cw(c3.653,4.325) 3.556,4.5 cw(c4,3.688) 4,4.614 ccw(c4,5.214) 4.6,5.214 U5.2@4.6,6.35
CLK_DRV: PL4.14 U2.34 U5.4 | length 15.2
  Top Layer w0.3: U2.34@-1.662,-2.742 -0.829,-3.575 -0.616,-3.575 v1(-0.559,-3.632)
  Top Layer w0.6: v1(1.905,3.48) 1.905,4.947 PL4.14@1.908,4.95
  Bottom Layer w0.2: v1(-0.559,-3.632) -0.667,-3.632 -0.809,-3.491 -0.866,-3.491 -1.067,-3.289 -1.067,-2.362 -1.086,-2.343 -1.086,-1.729 0.61,-0.034 0.61,1.935 1.534,2.859 1.567,2.859 1.828,3.12 1.828,3.403 v1(1.905,3.48) 1.905,3.949 3.55,5.594 3.55,6.3 U5.4@3.6,6.35
CLK_ENC: R1.1 U2.51 | length 46.3
  Top Layer w0.17: v1(-7.325,-11.719) -7.109,-11.934 -6.823,-11.934 U2.51@-5.904,-11.015
  Bottom Layer w0.17: v1(-7.325,-11.719) -7.645,-12.039 -7.645,-13.119 -5.862,-14.903 -5.862,-16.473 -4.274,-18.061 -0.8,-18.061 -0.31,-18.552 6.988,-18.552 8.39,-17.15 8.39,-16.19 9.119,-15.462 9.119,-9.501 7.613,-7.995 7.627,-7.981 7.627,-7.308 9.142,-5.793 9.142,-4.142 cw(c10.175,-4.074) 9.142,-4.006 9.142,-1.602 cw(c10.175,-1.534) 9.142,-1.466 9.142,0.115 9.092,0.165 8.097,1.16 6.023,1.16 R1.1@5.498,0.635